# Allegro board 1119394-C028P02-36-DE2-C01_pcb.brd (continued)
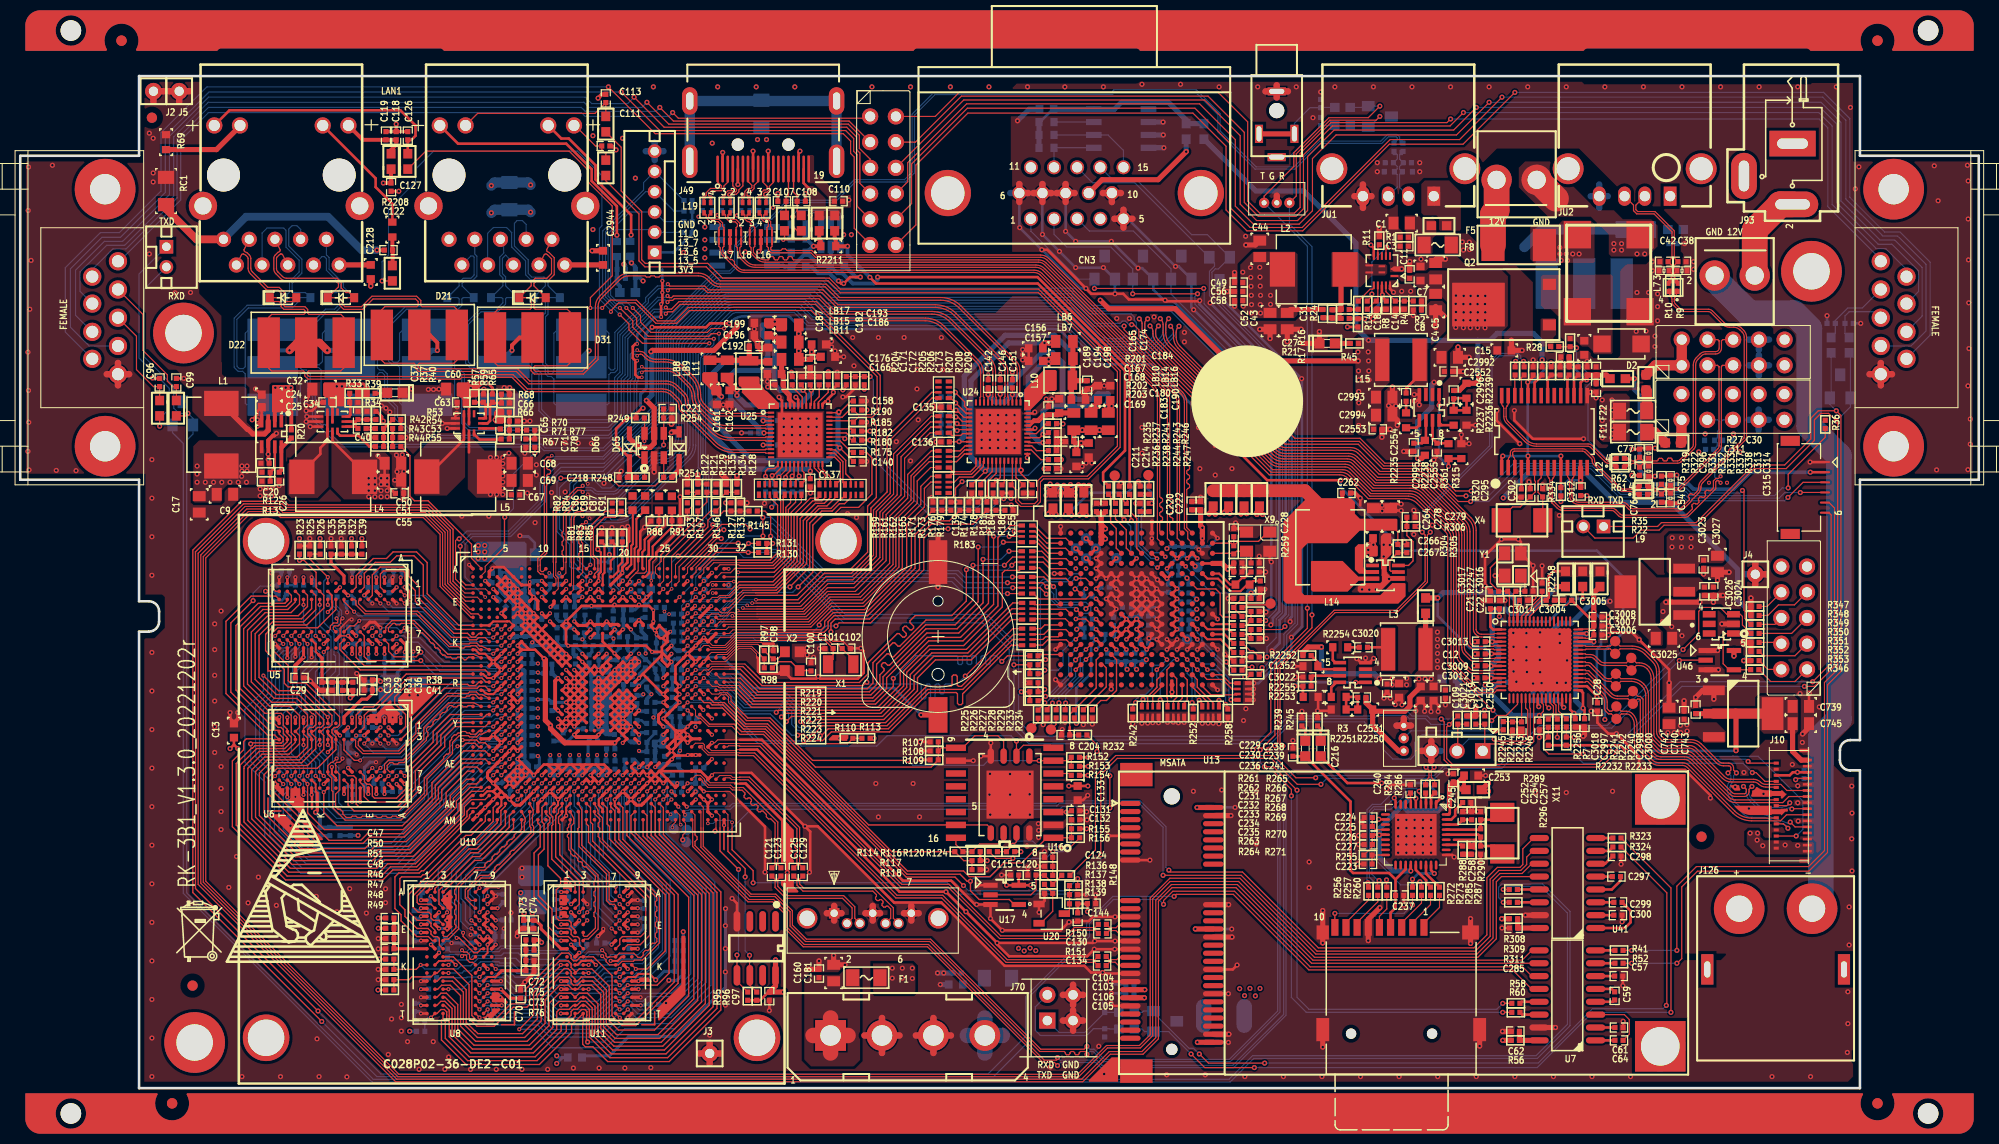
[diagram p0: board, top side]
## Routing (per net, layer and track width the routed paths; a pad name or vN(x,y) marks a point on that pad's centre or on a via; arc(x,y) is an arc through that point) (continued)
MDIO: length 60.2
  TOP w0.114: v2(96.39,60.07) 96.44,60.12 96.6,60.12 ; v2(80.57,45.67) 80.87,45.97 84,45.97 89.24,51.22 89.24,54.34 90.17,55.27 v2(91.64,55.27)
  TOP w0.127: U25.31 81.59,64.74 82.04,64.29 v2(82.12,64.29) 82.12,64.21 R180.2 ; R178.2 96.8,60.32 U24.31 ; v1(65.92,44.52) U10.K27
  BOTTOM w0.095: 73.38,44.6 73.23,44.6 73.12,44.71 68.33,44.71 67.74,44.12 66.37,44.12 65.97,44.52 v1(65.92,44.52)
  BOTTOM w0.114: v2(82.12,64.29) 91.14,55.27 v2(91.64,55.27) 93.95,55.27 96.67,57.99 96.67,59.79 v2(96.39,60.07) ; 73.38,44.6 78.56,44.6 79.63,45.67 v2(80.57,45.67)
MIPI_N1_CLK+: length 33.3
  TOP w0.114: U1.39 154.59,41.72 154.65,41.78 154.86,41.78 arc(154.94,41.77) 155.01,41.72 156.29,40.44 156.31,40.42 arc(156.56,40.25) 156.84,40.19 157.12,40.19 TP6.1 158.09,40.19 159.11,40.19 arc(159.68,40.08) 160.16,39.76 arc(160.45,39.32) 160.55,38.8 160.55,34.74 arc(160.62,34.39) 160.82,34.1 161.62,33.3 arc(161.92,33.1) 162.26,33.03 164.57,33.03 arc(164.86,32.97) 165.11,32.81 168.91,29.01 arc(169.11,28.87) 169.35,28.83 170.32,28.83 arc(170.47,28.85) 170.59,28.94 arc(170.71,29.12) 170.76,29.33 170.76,29.53 v2(171.04,29.81) ; J10.16 174.5,27.91 v2(174.78,28.19)
  BOTTOM w0.114: v2(171.04,29.81) 170.76,29.53 170.76,29.2 arc(170.82,28.89) 171,28.62 171.62,28 arc(171.92,27.8) 172.26,27.73 173.97,27.73 174.66,27.96 v2(174.78,28.19)
MIPI_N1_CLK-: length 33.5
  TOP w0.114: v2(170.21,29.81) 170.49,29.53 170.49,29.33 arc(170.47,29.22) 170.4,29.13 arc(170.37,29.1) 170.32,29.09 169.35,29.09 arc(169.22,29.12) 169.1,29.2 165.3,32.99 arc(164.97,33.22) 164.57,33.3 162.26,33.3 arc(162.02,33.35) 161.81,33.49 161.01,34.29 arc(160.87,34.5) 160.82,34.74 160.82,38.8 arc(160.7,39.42) 160.35,39.95 arc(159.78,40.33) 159.11,40.46 158.09,40.46 TP70.1 157.12,40.46 156.84,40.46 arc(156.66,40.5) 156.5,40.6 156.48,40.63 155.19,41.91 arc(155.04,42.01) 154.86,42.05 154.65,42.05 154.59,42.12 U1.40 ; J10.15 175.01,27.61 v2(174.98,27.58)
  BOTTOM w0.114: v2(170.21,29.81) 170.49,29.53 170.49,29.2 arc(170.57,28.78) 170.81,28.43 171.43,27.81 arc(171.81,27.55) 172.26,27.46 174.02,27.46 174.74,27.7 v2(174.98,27.58)
MIPI_N1_D0+: length 30.8
  TOP w0.114: J10.13 174.46,27.01 173.86,26.42 171.02,26.42 arc(170.01,26.62) 169.16,27.18 169.14,27.2 164.66,31.69 arc(164.43,31.84) 164.17,31.89 161.88,31.89 arc(161.4,31.99) 160.99,32.26 159.73,33.52 arc(159.5,33.86) 159.42,34.26 159.42,35.92 arc(159.33,36.4) 159.06,36.81 arc(158.87,36.93) 158.65,36.98 158.3,36.98 158.16,36.97 158.14,36.97 TP69.1 157.16,36.98 157.05,36.98 156.87,36.98 156.59,37.26 arc(156.51,37.39) 156.48,37.53 156.48,38.15 arc(156.41,38.49) 156.21,38.79 154.82,40.18 154.65,40.18 154.59,40.12 U1.35
MIPI_N1_D0-: length 27.5
  TOP w0.114: U1.36 154.59,40.52 154.65,40.45 154.93,40.45 156.4,38.98 arc(156.65,38.6) 156.74,38.15 156.74,37.53 arc(156.75,37.49) 156.78,37.45 156.98,37.25 157.04,37.25 157.19,37.25 TP68.1 158.14,37.24 158.3,37.24 158.65,37.24 arc(158.97,37.18) 159.25,37 arc(159.57,36.5) 159.69,35.92 159.69,34.26 arc(159.75,33.96) 159.92,33.71 161.18,32.45 arc(161.5,32.23) 161.88,32.16 164.17,32.16 arc(164.54,32.08) 164.85,31.88 169.33,27.39 169.35,27.37 arc(170.12,26.86) 171.02,26.68 173.41,26.68 J10.12
MIPI_N1_D1+: length 30.9
  TOP w0.114: J10.19 174.69,28.81 174.09,28.22 169.42,28.22 arc(168.98,28.3) 168.61,28.55 164.9,32.26 arc(164.66,32.42) 164.38,32.47 162.06,32.47 arc(161.64,32.56) 161.29,32.79 160.29,33.79 arc(160.09,34.09) 160.02,34.44 160.02,38.33 159.9,38.45 159.74,38.45 TP72.1 158.8,38.47 157.76,38.47 arc(157.36,38.55) 157.02,38.78 156.92,38.88 154.93,40.86 154.82,40.98 154.65,40.98 154.59,40.92 U1.37
MIPI_N1_D1-: length 27.6
  TOP w0.114: U1.38 154.59,41.32 154.65,41.25 154.93,41.25 157.1,39.07 157.21,38.97 arc(157.46,38.8) 157.76,38.74 158.8,38.74 TP71.1 159.8,38.71 160.01,38.71 160.29,38.44 160.29,34.44 arc(160.34,34.19) 160.48,33.98 161.48,32.98 arc(161.74,32.8) 162.06,32.74 164.38,32.74 arc(164.76,32.66) 165.09,32.45 168.8,28.74 arc(169.08,28.55) 169.42,28.48 173.41,28.48 J10.18
MIPI_N1_D2+: length 28.7
  TOP w0.114: J10.22 173.41,29.75 172.43,29.75 arc(172.03,29.83) 171.7,30.05 arc(171.48,30.2) 171.21,30.25 169,30.25 arc(168.53,30.35) 168.13,30.61 165.36,33.38 arc(165.13,33.54) 164.85,33.59 162.49,33.59 arc(162.14,33.66) 161.85,33.86 161.35,34.35 arc(161.16,34.65) 161.09,35 161.09,40.46 arc(160.98,41) 160.68,41.45 arc(160.33,41.68) 159.92,41.76 159.63,41.76 TP10.1 159.12,41.28 158.64,41.76 156.48,41.76 arc(156.14,41.83) 155.84,42.03 155.45,42.42 arc(155.27,42.54) 155.06,42.58 154.65,42.58 154.59,42.52 U1.41
MIPI_N1_D2-: length 32
  TOP w0.114: J10.21 174.5,29.41 173.9,30.02 172.43,30.02 arc(172.14,30.07) 171.89,30.24 arc(171.58,30.44) 171.21,30.52 169,30.52 arc(168.63,30.59) 168.32,30.8 165.55,33.57 arc(165.23,33.78) 164.85,33.86 162.49,33.86 arc(162.25,33.91) 162.04,34.05 161.54,34.54 arc(161.4,34.75) 161.35,35 161.35,40.47 arc(161.23,41.1) 160.87,41.63 arc(160.43,41.93) 159.92,42.03 159.63,42.03 159.14,42.51 TP73.1 158.64,42.03 156.48,42.03 arc(156.24,42.08) 156.03,42.21 155.64,42.61 arc(155.37,42.79) 155.06,42.85 154.65,42.85 154.59,42.92 U1.42
MIPI_N1_D3+: length 35.7
  TOP w0.114: J10.10 174.16,26.11 v2(174.6,25.68) ; U1.43 154.59,43.32 154.65,43.38 156.85,43.38 156.88,43.41 157.04,43.41 TP67.1 158.02,43.41 159.21,43.41 arc(159.89,43.27) 160.47,42.89 161.23,42.13 arc(161.52,41.69) 161.62,41.18 161.62,35.22 arc(161.68,34.92) 161.85,34.67 162.05,34.47 arc(162.38,34.25) 162.76,34.18 165,34.18 arc(165.46,34.08) 165.85,33.82 167.53,32.14 arc(167.85,31.93) 168.23,31.85 168.75,31.85 arc(168.9,31.79) 168.96,31.64 168.96,31.43 v2(168.68,31.15)
  BOTTOM w0.114: v2(168.68,31.15) 168.96,30.87 168.96,30.57 arc(168.93,30.42) 168.85,30.29 arc(168.67,30.02) 168.61,29.71 arc(168.79,28.76) 169.33,27.96 170.17,27.12 arc(170.57,26.85) 171.03,26.76 172.27,26.76 174.49,25.93 v2(174.6,25.68)
MIPI_N1_D3-: length 36.3
  TOP w0.114: U1.44 154.59,43.72 154.65,43.65 156.74,43.65 156.77,43.68 157.04,43.68 TP1.1 158.02,43.68 159.21,43.68 arc(159.99,43.52) 160.66,43.08 161.41,42.32 arc(161.76,41.8) 161.89,41.18 161.89,35.22 arc(161.93,35.03) 162.04,34.86 162.24,34.66 arc(162.48,34.5) 162.76,34.44 165,34.44 arc(165.56,34.33) 166.04,34.01 167.72,32.33 arc(167.96,32.17) 168.23,32.12 168.75,32.12 arc(169.09,31.98) 169.23,31.64 169.23,31.43 v2(169.51,31.15) ; v2(174.83,26.29) 175.3,25.81 J10.9
  BOTTOM w0.114: v2(174.83,26.29) 174.58,26.18 172.31,27.03 171.03,27.03 arc(170.67,27.1) 170.36,27.31 169.52,28.14 arc(169.04,28.86) 168.87,29.71 arc(168.91,29.92) 169.04,30.1 arc(169.18,30.31) 169.23,30.57 169.23,30.87 v2(169.51,31.15)
MSATA_RXDN: length 2.6
  TOP w0.114: C106.1 107.57,12.7 108.31,12.7 108.54,12.93 U13.31
MSATA_RXDP: length 2.6
  TOP w0.114: C105.1 107.59,12.45 108.15,12.45 108.47,12.13 U13.33
MSATA_TXDN: length 2.6
  TOP w0.114: C103.1 107.57,15.57 108.23,15.57 108.47,15.33 U13.25
MSATA_TXDP: length 2.6
  TOP w0.114: U13.23 108.51,16.13 108.23,15.85 107.62,15.85 C104.1
PCIE_REFCLK_SEL: length 12.9
  TOP w0.114: v2(65.89,56.29) R123.1 66.37,57.51 66.37,58.32 R121.2 R122.1
  TOP w0.127: U10.D24 v1(63.52,49.32)
  BOTTOM w0.114: v1(63.52,49.32) 63.5,49.32 63.17,49.65 63.17,52.55 65.89,55.27 v2(65.89,56.29)
POR_BYPASS: length 2.2
  TOP w0.127: U10.W28 v1(65.92,37.32)
  BOTTOM w0.127: R382.2 66.04,37.2 v1(65.92,37.32) 65.72,37.52 R383.1
POR_IP_SEL: length 20
  TOP w0.127: v2(77.37,34.32) 77.65,34.04 81.71,34.04 R110.2 R113.2 ; U10.U27 v1(65.92,38.92)
  BOTTOM w0.095: 71.09,36.3 69.06,38.33 66.5,38.33 65.92,38.91 v1(65.92,38.92)
  BOTTOM w0.114: 71.28,36.12 71.09,36.3
  BOTTOM w0.127: v2(77.37,34.32) 73.08,34.32 71.28,36.12
PWM_SVB0_CPU: length 16.2
  TOP w0.102: 44.93,51.99 45.01,51.92 45.01,51.89 45.52,51.38 U10.A2
  TOP w0.127: 44.93,51.99 44.58,52.35 44.58,53.75 40.28,58.04 38.94,58.04 38.49,58.48 38.49,62.5 R55.2
PWM_SVB1_CORE: length 15
  TOP w0.095: 46.36,51.99 45.92,51.56 45.92,51.03 45.52,50.62 U10.B2
  TOP w0.114: R78.2 v2(50.83,62.75)
  TOP w0.127: v2(47.85,56.41) 47.83,56.39 47.83,53.47 46.36,51.99
  BOTTOM w0.114: v2(47.85,56.41) 48.72,57.28 48.72,60.71 50.76,62.75 v2(50.83,62.75)
RBIAS: length 2.6
  TOP w0.254: U34.35 141.35,26.54 141.73,26.92 141.73,27.48 R289.1
RESET_7842_1: length 10.1
  TOP w0.114: R232.2 C204.1
  TOP w0.127: 103.66,35.69 103.66,36.93 R229.2 106.27,39.55 106.27,42.32 106.76,42.8 U32.N5
  TOP w0.254: 103.66,35.69 C204.1
RESET_SDIO: length 2.2
  TOP w0.114: U34.18 133.53,23.04 R255.1 C223.1
REXT: length 3.8
  TOP w0.127: U1.61 148.29,46.61 150.32,48.64 R2248.2
RGMII0_COL: length 0.6
  TOP w0.127: U10.H29 v1(67.52,46.12)
RGMII0_RXCK: length 35.5
  TOP w0.095: 72.77,46.84 70.64,46.84 70.46,47.02 70.18,47.02 69.82,46.66 69.16,46.66 68.96,46.86 68.26,46.86 U10.G30
  TOP w0.114: 72.77,46.84 77.48,46.84 79.72,49.08 82.48,49.08 85.52,52.12 85.52,56.67 87.35,58.5 87.35,62.23 89.87,64.75 RN22.4
RGMII0_RXD0: length 40.2
  TOP w0.095: 72.77,47.93 v3(72.29,47.93)
  TOP w0.114: 90.05,68.18 85.93,64.06 85.93,58.76 84.28,57.11 84.28,52.65 82.19,50.56 79.59,50.56 76.95,47.93 72.77,47.93
  TOP w0.127: U10.G27 v1(65.92,46.92) ; RN21.4 90.05,68.18
  BOTTOM w0.095: v3(72.29,47.93) 72.27,47.91 72.13,47.91 72.01,48.03 70.18,48.03 69.15,47 67.3,47 67.01,47.29 66.29,47.29 v1(65.92,46.92)
RGMII0_RXD1: length 37.8
  TOP w0.095: v3(71.81,47.7) 71.91,47.6 72.77,47.6
  TOP w0.114: 72.77,47.6 77.09,47.6 79.72,50.23 82.23,50.23 84.56,52.55 84.56,56.99 86.26,58.69 86.26,62.66 89.99,66.4 RN22.1
  TOP w0.127: U10.G28 v1(66.72,46.92)
  BOTTOM w0.095: v3(71.81,47.7) 71.7,47.7 71.63,47.78 70.21,47.78 69.24,46.81 66.83,46.81 v1(66.72,46.92)
RGMII0_RXD2: length 38.6
  TOP w0.095: v3(71.37,47.45) 71.37,47.44 71.47,47.35 72.77,47.35
  TOP w0.114: RN22.2 89.9,65.82 86.61,62.53 86.61,58.62 84.91,56.92 84.91,52.43 82.35,49.86 79.78,49.86 77.63,47.71 77.27,47.35 72.77,47.35
  TOP w0.127: U10.H27 v1(65.92,46.12)
  BOTTOM w0.095: v1(65.92,46.12) 66.28,46.48 67.11,46.48 67.23,46.61 69.32,46.61 70.23,47.52 71.3,47.52 v3(71.37,47.45)
RGMII0_RXD3: length 37.8
  TOP w0.095: 72.77,47.09 70.97,47.09 v3(70.87,47.19)
  TOP w0.114: 72.77,47.09 77.37,47.09 79.73,49.45 82.37,49.45 85.19,52.27 85.19,56.8 87,58.61 87,62.38 89.94,65.33 RN22.3
  TOP w0.127: U10.H28 v1(66.72,46.12)
  BOTTOM w0.095: v3(70.87,47.19) 70.66,46.99 69.98,46.99 68.63,45.64 67.23,45.64 66.76,46.12 v1(66.72,46.12)
RGMII0_RXDV: length 38.6
  TOP w0.127: RN21.3 90.04,68.76 85.62,64.34 85.62,58.91 84.02,57.31 84.02,52.81 82.09,50.88 79.43,50.88 76.82,48.26 v3(72.67,48.26) ; U10.F29 67.4,47.6 v1(67.49,47.6)
  BOTTOM w0.095: v3(72.67,48.26) 70.13,48.26 69.07,47.2 68.04,47.2 67.64,47.6 v1(67.49,47.6)
RGMII0_RXER: length 0.6
  TOP w0.127: U10.H30 v1(68.32,46.12)
RGMII0_TXCKOUT: length 35.2
  TOP w0.095: v3(70.33,46.66) 70.41,46.58 72.77,46.58
  TOP w0.114: RN13.1 89.99,62.97 87.66,60.64 87.66,58.3 85.88,56.52 85.88,51.87 82.8,48.79 79.83,48.79 77.62,46.58 72.77,46.58
  TOP w0.127: U10.J29 67.46,45.26 v1(67.49,45.26)
  BOTTOM w0.095: v1(67.49,45.26) 67.51,45.29 68.61,45.29 69.98,46.66 v3(70.33,46.66)
RGMII0_TXD0: length 32.8
  TOP w0.095: 72.97,46.33 68.91,46.33 U10.G31
  TOP w0.114: 72.97,46.33 77.78,46.33 79.97,48.52 82.99,48.52 86.21,51.74 86.21,56.34 87.99,58.11 87.99,60.5 89.88,62.4 RN13.2
RGMII0_TXD1: length 32.8
  TOP w0.095: 73.23,46.08 69.06,46.08 68.72,45.73 U10.H31
  TOP w0.114: RN13.3 89.78,61.9 88.27,60.39 88.27,58 86.49,56.22 86.49,51.59 83.14,48.24 80.05,48.24 77.88,46.08 73.23,46.08
RGMII0_TXD2: length 31.6
  TOP w0.095: 73.38,45.81 73.37,45.82 69.62,45.82 U10.H32
  TOP w0.114: 73.38,45.81 77.99,45.81 80.1,47.92 83.22,47.92 86.79,51.49 86.79,55.99 88.6,57.79 88.6,59.99 89.92,61.32 RN13.4
RGMII0_TXD3: length 32.8
  TOP w0.095: U10.J30 67.92,44.93 68.3,45.31 69.72,45.31 69.98,45.57 73.38,45.57
  TOP w0.114: 73.38,45.57 78.09,45.57 80.13,47.6 83.32,47.6 87.12,51.41 87.12,55.85 88.95,57.68 88.95,59.46 89.94,60.45 RN14.1
RGMII0_TXEN: length 34.6
  TOP w0.127: U10.K28 v1(66.72,44.52) ; RN14.2 89.93,59.88 89.31,59.26 89.31,57.43 87.55,55.68 87.55,51.44 83.4,47.28 80.2,47.28 78.92,46 v2(78.92,45.77)
  BOTTOM w0.095: 73.33,44.91 67.11,44.91 v1(66.72,44.52)
  BOTTOM w0.127: 73.33,44.91 78.13,44.91 78.92,45.69 v2(78.92,45.77)
RGMII1_COL: length 0.6
  TOP w0.127: U10.D29 v1(67.52,49.32)
RGMII1_CRS: length 0.4
  TOP w0.095: U10.C32 v3(69.96,49.72)
RGMII1_RXCK: length 14.2
  TOP w0.114: RN20.4 77.16,57.9 76.15,56.9 76.15,52.25 74.42,50.52 U10.B32
RGMII1_RXD0: length 13.9
  TOP w0.095: U10.A30 67.92,51.33 68.5,51.92 71.09,51.92
  TOP w0.127: 71.09,51.92 74.27,51.92 75.11,52.76 75.11,58.01 74.61,58.51 RN79.4
RGMII1_RXD1: length 13.3
  TOP w0.095: 71.05,51.64 70.97,51.71 69.11,51.71 U10.A31
  TOP w0.127: RN20.1 75.36,58.49 75.36,52.63 74.37,51.64 71.05,51.64
RGMII1_RXD2: length 14
  TOP w0.095: U10.B31 68.83,50.52 69.24,50.93 70.16,50.93 70.5,51.27
  TOP w0.114: RN20.2 76.09,57.85
  TOP w0.127: 70.5,51.27 70.59,51.36 74.45,51.36 75.62,52.53 75.62,57.38 76.09,57.85
RGMII1_RXD3: length 15.9
  TOP w0.095: v3(70.48,50.06) 68.26,50.06 U10.C30
  TOP w0.114: RN20.3 76.58,57.89
  TOP w0.127: 76.58,57.89 75.87,57.18 75.87,52.37 74.47,50.98 v3(70.92,50.98)
  BOTTOM w0.095: v3(70.48,50.06) 70.92,50.5 v3(70.92,50.98)
RGMII1_RXDV: length 15
  TOP w0.095: 70.92,52.17 68.3,52.17 67.51,51.38 67.51,50.93 67.12,50.53 U10.B29
  TOP w0.127: 70.92,52.17 74.07,52.17 74.8,52.91 74.8,57.61 74.04,58.37 RN79.3
RGMII1_RXER: length 0.6
  TOP w0.127: U10.C29 v1(67.52,50.12)
RGMII1_TXCKOUT: length 17.9
  TOP w0.095: 70.99,50.04 70.28,49.33 68.3,49.33 67.92,48.95 U10.D30
  TOP w0.127: 70.99,50.04 74.35,50.04 76.43,52.12 76.43,56.69 78.03,58.29 78.79,58.29 78.94,58.44 RN17.1
RGMII1_TXD0: length 18.7
  TOP w0.095: 71.09,49.71 71.02,49.71 70,48.69 69.08,48.69 68.89,48.49 68.35,48.49 67.98,48.12 U10.E30
  TOP w0.127: 71.09,49.71 74.42,49.71 76.73,52.02 76.73,56.49 78.28,58.04 79.17,58.04 79.51,58.38 RN17.2
RGMII1_TXD1: length 18.3
  TOP w0.095: 71.09,49.45 71.07,49.45 70.1,48.49 69.16,48.49 68.8,48.12 U10.E31
  TOP w0.127: 71.09,49.45 74.55,49.45 77.04,51.94 77.04,56.29 78.54,57.78 79.43,57.78 80.01,58.37 RN17.3
RGMII1_TXD2: length 18
  TOP w0.095: U10.E32 70.29,48.12 71.37,49.2 72.36,49.2
  TOP w0.127: 72.36,49.2 74.67,49.2 77.34,51.87 77.34,56.08 78.79,57.53 79.68,57.53 80.59,58.44 RN17.4
RGMII1_TXD3: length 19.1
  TOP w0.095: 72.62,48.95 71.45,48.95 69.98,47.47 69.67,47.47 U10.F32
  TOP w0.127: RN18.1 81.46,58.54 81.2,58.29 81.08,58.29 80.06,57.28 78.92,57.28 77.67,56.03 77.67,51.84 74.78,48.95 72.62,48.95
RGMII1_TXEN: length 23
  TOP w0.127: U10.E28 v1(66.72,48.52) ; v2(76.02,49.53) 77.98,51.49 77.98,55.83 79.17,57.02 80.19,57.02 80.91,57.75 81.42,57.75 82.03,58.36 RN18.2
  BOTTOM w0.095: v1(66.72,48.52) 66.98,48.26 68.86,48.26 69.14,48.54 69.62,48.54 70.56,49.48 71.09,49.48
  BOTTOM w0.127: v2(76.02,49.53) 75.97,49.48 71.09,49.48
RI1: length 147.2
  TOP w0.114: 86.49,83.31 88.47,85.29 88.47,91.21 93.6,96.34 115.82,96.34 119.1,93.07 119.1,86.77 121.16,84.71 126.67,84.71 135.23,93.27 142.51,93.27 v2(147.62,98.39)
  BOTTOM w0.114: v2(147.62,98.39) 178.12,98.39 180.71,95.79 180.71,88.02 181.31,87.42 184.15,84.58 185.67,84.58 188.65,81.61 188.65,74.4 J22.9
RI2: length 111.7
  TOP w0.114: v2(58.09,98.93) 62.71,94.31 81.28,94.31 82.02,93.57 82.02,92.35 82.37,92 82.37,84.96 83.95,83.39 83.95,83.31
  BOTTOM w0.114: v2(58.09,98.93) 18.43,98.93 13.89,94.4 13.89,88.64 9.79,84.53 7.92,84.53 4.45,81.05 4.45,74.73 J23.6
RS232_RXA: length 123.8
  TOP w0.114: v2(122.89,31.75) 123.8,31.75 v2(126.11,29.44) ; v2(122.48,33.43) 123.93,34.87 123.93,41.83 127.58,45.49 v2(127.58,46.76) ; J123.3 126.03,88.15 126.03,92.31 129.36,95.64 133.92,95.64 v2(134.29,96.01)
  TOP w0.127: R58.2 v2(146.43,8.38)
  BOTTOM w0.114: v2(127.58,46.76) 127.58,83.16 125.36,85.38 J123.3 ; v2(134.29,96.01) 133.27,95 133.15,95 133.02,95.12 L20.2 ; v2(146.43,8.38) 145.85,7.8 127.28,7.8 126.11,8.97 v2(126.11,29.44) ; v2(122.89,31.75) 122.48,32.16 v2(122.48,33.43)
RS232_RXB: length 110.2
  TOP w0.114: v2(163.63,13.61) 163.63,19.96 165.56,21.89 176.63,21.89 178.21,23.47 178.21,40.08 179.5,41.38 179.5,65.79 v2(179.37,65.91) 178.61,66.68 177.85,66.68 177.22,66.04 177.22,64.01 174.42,61.21 171.25,61.21 165.66,55.63 162.36,55.63 161.87,55.14 160.09,55.14 159.31,54.36 155.53,54.36 J1.2 ; R41.2 v2(159.16,13.61)
  BOTTOM w0.114: L25.2 180.77,72.52 D3.1 180.77,67.31 v2(179.37,65.91) ; v2(159.16,13.61) v2(163.63,13.61)
RS232_RXC: length 232.2
  TOP w0.114: L27.2 16.31,66.42 v2(16.56,66.68)
  TOP w0.127: R308.2 v2(146.48,19.63)
  BOTTOM w0.114: v2(146.48,19.63) 146.79,19.94 150.19,19.94 152.82,17.31 152.82,6.31 149.72,3.21 121.73,3.21 119.4,0.87 34.86,0.87 16.44,19.29 16.44,64.02 17.07,64.64 D4.1 17.07,66.17 v2(16.56,66.68) 15.67,66.68 15.16,67.18 15.16,69.34 12.24,72.26 12.24,78.95 J6.2
RS232_RXD: length 76.1
  TOP w0.114: v2(163.04,7.49) 163.04,19.79 R323.2 ; v2(121.89,2.03) 116.99,2.03 v2(115.65,3.38)
  BOTTOM w0.114: v2(115.65,3.38) 113.44,5.59 D5.1 111.05,5.59 110.79,5.84 L23.2 ; v2(121.89,2.03) 149.83,2.03 155.3,7.49 v2(163.04,7.49)
RS232_TXA: length 126.7
  TOP w0.114: v2(125.55,28.88) 125.55,29.51 123.77,31.29 122.56,31.29 v2(122.1,31.75) ; v2(127.13,47.42) 127.13,45.44 123.52,41.83 123.52,35.18 v2(121.77,33.43) ; J123.1 122.86,88.14 125.79,91.07 125.79,92.41 129.26,95.89 133.15,95.89 v2(134.29,97.03)
  TOP w0.127: R60.2 v2(146.43,7.49)
  BOTTOM w0.114: v2(134.29,97.03) D1.2 133.02,96.9 L21.2 ; v2(125.55,28.88) 125.55,8.97 127.03,7.49 v2(146.43,7.49) ; v2(122.1,31.75) 121.77,32.08 v2(121.77,33.43) ; v2(127.13,47.42) 127.13,83.21 J123.1
RS232_TXB: length 108.2
  TOP w0.114: R52.2 v2(159.16,12.34) ; J1.1 161.72,55.5 162.1,55.88 165.53,55.88 171.22,61.57 174.27,61.57 176.86,64.16 176.86,66.19 177.6,66.93 v2(179.37,66.93) 179.83,66.47 179.83,41.17 178.51,39.85 178.51,23.29 176.66,21.44 165.66,21.44 164.11,19.89 164.11,12.8 163.65,12.34 v2(163.63,12.34)
  BOTTOM w0.114: L24.2 178.87,68.33 D3.2 178.74,67.56 v2(179.37,66.93) ; v2(159.16,12.34) v2(163.63,12.34)
RS232_TXC: length 238.4
  TOP w0.114: L26.2 v2(13.77,65.41)
  TOP w0.127: R309.2 v2(146.48,18.36)
  BOTTOM w0.114: v2(146.48,18.36) 146.02,18.82 146.02,19.86 146.34,20.18 150.36,20.18 153.09,17.45 153.09,6.2 149.83,2.95 121.84,2.95 119.51,0.61 34.75,0.61 16.1,19.25 16.1,63.7 15.04,64.77 15.04,65.53 13.89,65.53 v2(13.77,65.41) 13.77,66.17 14.72,67.12 14.72,69.15 11.73,72.14 11.73,80.44 J6.1
RS232_TXD: length 74.7
  TOP w0.114: v2(116.46,3.38) 117.36,2.47 v2(122.91,2.47) ; R324.2 162.64,19.3 162.64,8.23 v2(162.59,8.18)
  BOTTOM w0.114: v2(162.59,8.18) 162.26,7.85 155.3,7.85 149.92,2.47 v2(122.91,2.47) ; v2(116.46,3.38) 115.9,3.94 115.44,3.94 111.94,7.44 D5.2 110.92,7.62 110.79,7.49 L22.2
RSTN: length 4.1
  TOP w0.114: U1.20 148.29,36.2 C3018.1 R7.2 147.37,36.22 R2256.2
RTC_XIN: length 17.2
  TOP w0.095: 73.38,44.5 70.64,44.5 69.67,43.54 68.2,43.54 68,43.74 67.51,43.74 67.12,43.35 U10.L29
  TOP w0.127: X1.1 82.29,42.32 C102.2 80.87,43.74 80.87,43.76 80.75,43.89 80.19,43.89 79.58,44.5 73.38,44.5
RTC_XOUT: length 14.8
  TOP w0.095: U10.L30 69.74,43.32 70.66,44.25 73.38,44.25
  TOP w0.127: X1.2 80.29,42.39 C101.2 79.48,44.25 73.38,44.25
RTS1: length 135.4
  TOP w0.114: J7.6 93.19,97.64 116.97,97.64 120.5,94.11 120.5,87.35 122.12,85.73 126.16,85.73 127.15,86.72 127.15,92.05 129.77,94.67 141.58,94.67 v2(143.81,96.9)
  BOTTOM w0.114: J22.7 187.5,78.71 187.5,80.75 184.86,83.39 183.51,83.39 179.42,87.49 179.42,95.26 177.77,96.9 v2(143.81,96.9)
RTS2: length 96.4
  TOP w0.114: v2(61.9,97.41) 64.06,95.25 81.79,95.25 82.88,94.16 82.88,92.86 83.95,91.8 J7.5
  BOTTOM w0.114: J23.8 5.89,78.74 5.89,80.65 8.53,83.29 10.31,83.29 15.15,88.13 15.15,93.99 18.57,97.41 55.68,97.41 56.18,96.9 61.39,96.9 v2(61.9,97.41)
SATA_PCIE_MODE0: length 5.4
  TOP w0.203: v1(67.51,48.62) 67.51,48.51 U10.E29
  BOTTOM w0.095: R389.2 R388.1 65.33,47.68 65.76,48.11 66.01,48.11 66.29,48.39 66.29,48.64 66.57,48.92 67.06,48.92 67.36,48.62 v1(67.51,48.62)
SATA_PCIE_MODE1: length 37.9
  TOP w0.095: 72.77,48.69 71.57,48.69 69.84,46.96 69.24,46.96 68.88,47.32 U10.F31
  TOP w0.114: R207.2 R208.1 R209.2 v2(83.95,70.31)
  TOP w0.127: 72.77,48.69 76.71,48.69 79.26,51.24 81.98,51.24 83.69,52.96 83.69,57.51 84.56,58.37 84.56,65.53 v2(84.28,65.81)
  BOTTOM w0.114: v2(84.28,65.81) 84.28,69.98 v2(83.95,70.31)
SATA_RXM0: length 13.7
  TOP w0.095: U10.AG32 69.52,30.54 69.65,30.66 70.09,30.66 70.26,30.49 71.06,30.49 71.08,30.47 71.09,30.47
  TOP w0.114: C125.2 76.71,22.08 76.71,22.65 76.5,22.86 76.5,23.11 76.71,23.32 76.71,23.57 76.5,23.78 76.5,24.02 76.71,24.23 76.71,25.65 71.89,30.47 71.09,30.47
SATA_RXM2: length 45.4
  TOP w0.095: U10.AC32 69.85,33.72 69.95,33.83 70.99,33.83 71,33.82 71.05,33.82 71.08,33.78 71.09,33.78
  TOP w0.114: 71.09,33.78 73.05,33.78 86.96,19.87 91.65,19.87 96.73,14.78 103.4,14.78 104.22,15.6 106.17,15.6 C103.2
SATA_RXP0: length 14.7
  TOP w0.095: 71.09,30.73 71.07,30.73 71.05,30.71 70.35,30.71 70.18,30.89 69.09,30.89 U10.AG31
  TOP w0.114: C129.2 76.98,22.08 76.98,25.76 72,30.73 71.09,30.73
SATA_RXP2: length 46.2
  TOP w0.095: U10.AC31 69.05,34.05 71.09,34.05
  TOP w0.114: 71.09,34.05 73.16,34.05 87.07,20.14 91.76,20.14 96.84,15.05 103.29,15.05 104.11,15.87 106.17,15.87 C104.2
SATA_TXM0: length 15.3
  TOP w0.095: U10.AG28 66.71,30.91 66.85,30.91 66.86,30.92 67.19,30.92 67.58,30.52 67.58,30.37 68.01,29.94 70.17,29.94 70.42,29.69 71.05,29.69 71.07,29.71 71.09,29.71
  TOP w0.114: C123.2 74.82,22.08 74.82,26.3 71.41,29.71 71.09,29.71
SATA_TXM2: length 49.5
  TOP w0.095: 71.09,33.12 71.03,33.12 71.01,33.14 68.03,33.14 67.56,33.6 67.56,33.95 67.43,34.08 66.68,34.08 U10.AC28
  TOP w0.114: 71.09,33.12 72.54,33.12 86.6,19.06 91.12,19.06 97.49,12.69 106.14,12.69 C106.2
SATA_TXP0: length 15.3
  TOP w0.095: 71.09,29.44 71.07,29.44 71.05,29.46 70.33,29.46 70.08,29.72 67.92,29.72 67.36,30.28 67.36,30.43 67.26,30.53 67.13,30.53 U10.AG29
  TOP w0.114: C121.2 74.56,22.08 74.56,26.19 74.14,26.6 73.9,26.6 73.7,26.81 73.7,27.04 73.36,27.39 73.19,27.39 73.11,27.3 72.95,27.3 72.79,27.47 72.79,27.63 72.87,27.71 72.87,27.87 72.71,28.03 72.55,28.03 72.47,27.95 72.3,27.95 72.14,28.11 72.14,28.27 72.22,28.36 72.22,28.52 72.06,28.68 71.9,28.68 71.82,28.6 71.66,28.6 71.5,28.76 71.5,28.92 71.58,29 71.58,29.16 71.3,29.44 71.09,29.44
SATA_TXP2: length 48.6
  TOP w0.095: 71.09,32.85 70.98,32.85 70.92,32.92 67.94,32.92 67.34,33.51 67.34,33.86 67.26,33.86 U10.AC29
  TOP w0.114: C105.2 106.14,12.43 97.38,12.43 91.01,18.8 86.49,18.8 72.43,32.85 71.09,32.85
SD_CLK: length 3.5
  TOP w0.114: J113.5 134.25,16.98 134.98,17.7 R260.2
SD_CMD: length 4
  TOP w0.114: R273.2 138.4,18.29 136.45,16.33 J113.3
SD_D0: length 4
  TOP w0.114: R257.2 134.09,18.42 132.05,16.38 J113.7
SD_D1: length 4.1
  TOP w0.114: J113.8 130.95,16.37 133.17,18.59 R256.2
SD_D2: length 3.8
  TOP w0.114: J113.1 138.65,16.32 140.18,17.86 R287.2
SD_D3: length 3.9
  TOP w0.114: J113.2 137.55,16.39 139.29,18.14 R285.2
SD_NCD: length 10.3
  TOP w0.114: R272.2 v2(137.52,18.11)
  TOP w0.127: J113.12 v2(129.85,17.27)
  BOTTOM w0.114: v2(129.85,17.27) 136.67,17.27 v2(137.52,18.11)
SD_WP: length 0.9
  TOP w0.508: R288.2 R290.2
SFC_BOOT_MODE: length 34.4
  TOP w0.114: R114.1 93.19,22.48 R117.2 R118.1
  TOP w0.127: U10.U29 67.54,38.1 68.11,38.1 68.33,37.87 69.4,37.87 71.54,35.74 73.71,35.74 86.08,23.37 R114.1
SFC_CLK: length 6.8
  TOP w0.114: U18.6 97.13,24.51 96.75,24.13 94.77,24.13 R116.2 R114.2 92.42,24.07 U16.16
SFC_CS1N: length 41.9
  TOP w0.095: 70.21,38.23 70.21,38.69 69.82,39.07 69.13,39.07 69,38.94 68.33,38.94 67.94,39.32 U10.T30
  TOP w0.114: U18.1 99.67,32.47 99.78,32.36 v2(100.63,32.36) U16.7 103.48,32.36 R152.2 R153.2
  TOP w0.127: 70.21,38.23 71.86,36.58 74.07,36.58 78.26,32.38 v2(87.68,32.38)
  BOTTOM w0.114: v2(100.63,32.36) 95.61,32.36 95.15,31.9 88.16,31.9 v2(87.68,32.38)
SFC_DIO: length 33.7
  TOP w0.114: U16.15 95.5,26.01 95.86,25.65 U18.5
  TOP w0.127: U10.U30 68.08,38.52 68.5,38.1 69.55,38.1 71.65,35.99 73.81,35.99 83.79,26.01 U16.15
SFC_DOI: length 41
  TOP w0.114: 98.4,33.2 U18.2 ; 98.4,33.2 99.09,33.88 101.79,33.88 U16.8 ; 98.4,33.2 v2(98.4,34.29)
  TOP w0.127: U10.V27 v1(65.92,38.12)
  BOTTOM w0.095: v1(65.92,38.12) 68.81,38.12 71.09,35.84
  BOTTOM w0.127: v2(98.4,34.29) 97.87,34.82 85.62,34.82 84.61,33.81 77.14,33.81 76.89,34.06 72.87,34.06 71.09,35.84
SFC_HOLD_IO3: length 45.4
  TOP w0.114: R155.2 R156.2 U16.1
  TOP w0.127: U10.V30 68.09,37.55 69.36,37.55 71.43,35.48 73.6,35.48 87.62,21.46 93.17,21.46 93.73,20.9 95.81,20.9 97.16,22.25 98.91,22.25 101.4,24.74 U16.1
SFC_WP_IO2: length 36.2
  TOP w0.095: 70.71,37.34 69.95,38.1 69.95,38.66 69.74,38.87 69.22,38.87 68.86,38.52 U10.U31
  TOP w0.114: R109.2 R108.1 ; R108.1 R107.1 ; R108.1 90.98,33.63 U16.9 93.09,33.63 94.29,34.82 96.57,34.82 97.13,34.26 U18.3
  TOP w0.127: R109.2 89.97,31.72 78.54,31.72 73.94,36.32 71.73,36.32 70.71,37.34
SLEEP_33: length 13.7
  TOP w0.114: U1.19 147.89,37.93 146.79,36.83 145.85,36.83 v2(145.34,36.32)
  BOTTOM w0.114: v2(145.34,36.32) 145.34,35.56 145.08,35.31 137.38,35.31 J122.2